# Altium PCB IO模組_MCP23017_20240819.PcbDoc
Units mil, origin at the board's own origin, x right, y up, seen from the top; angles counter-clockwise.
Board outline 3937.01 x 1968.5 mil, 2 copper layers (Top Layer, Bottom Layer), stack 61.756 mil thick; 87 components, 58 nets, 311 pads, 61 vias.
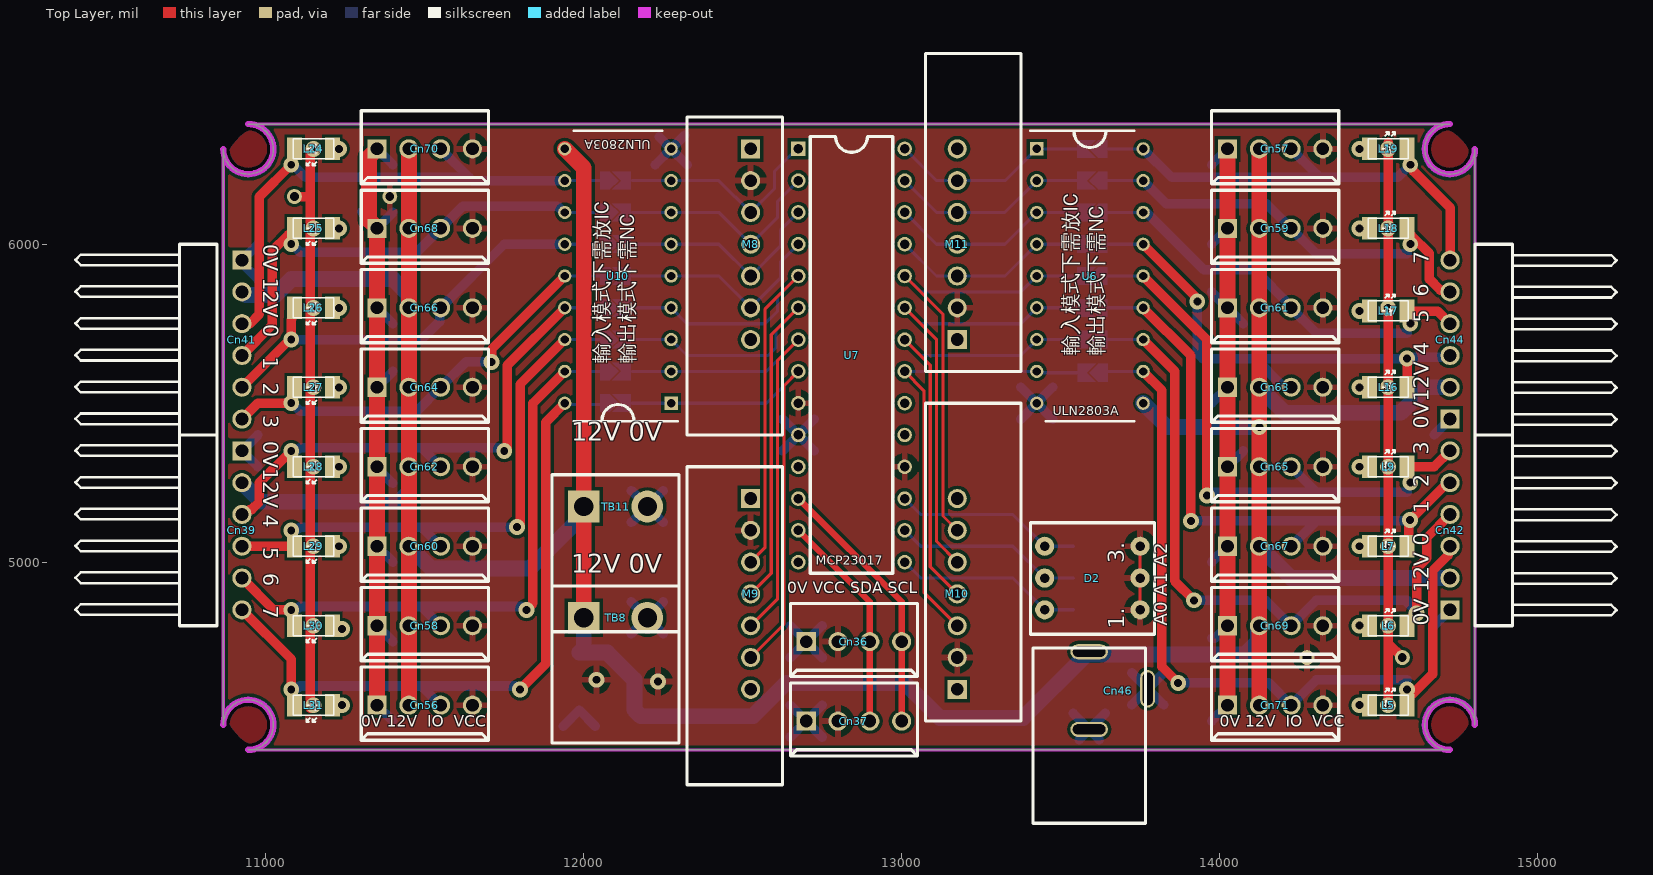
[diagram p0: Top Layer view]
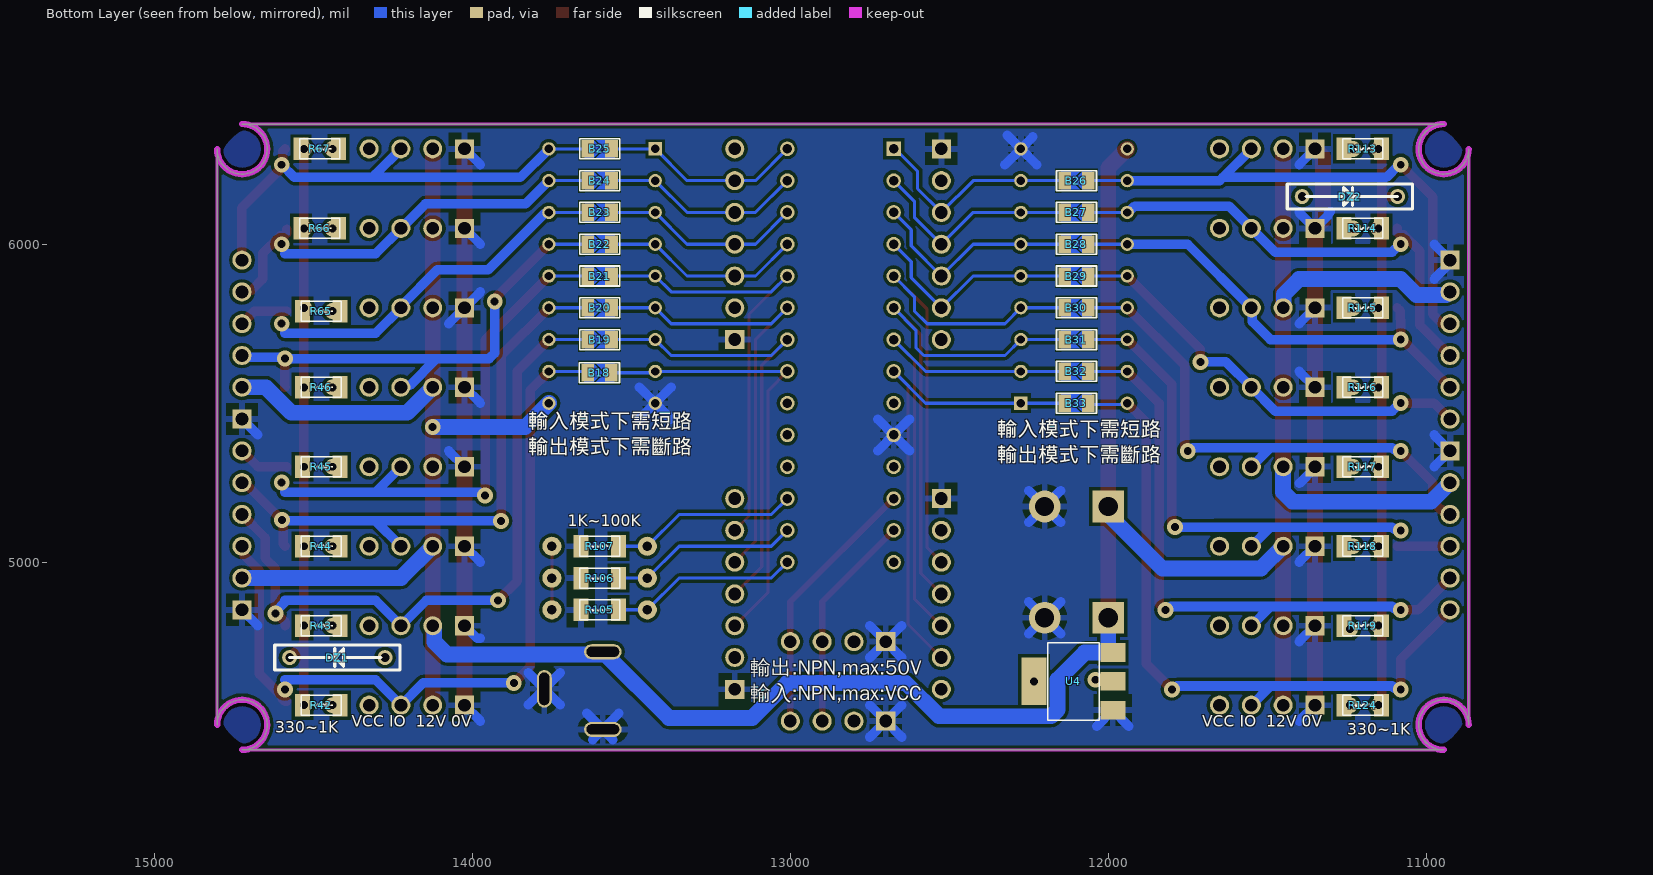
[diagram p1: Bottom Layer view, seen from below]
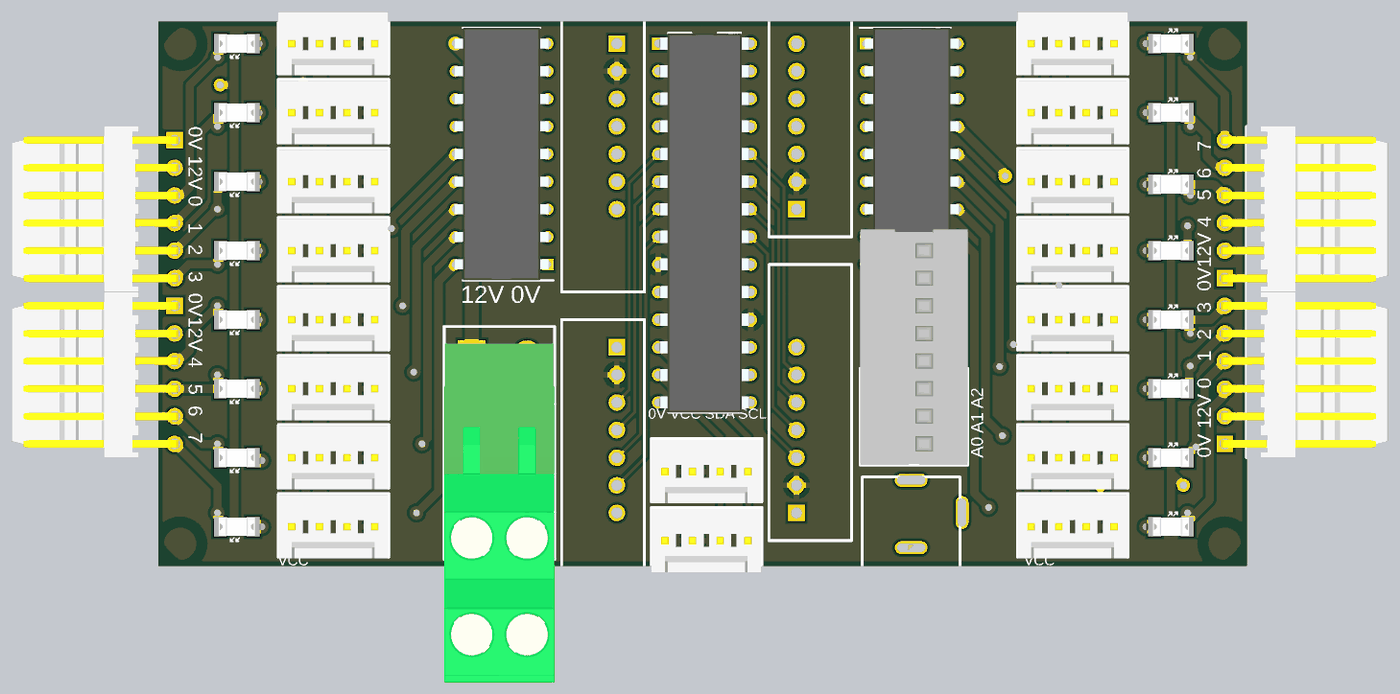
[diagram p2: 3D render of the assembled board from above, using the file's embedded part models]
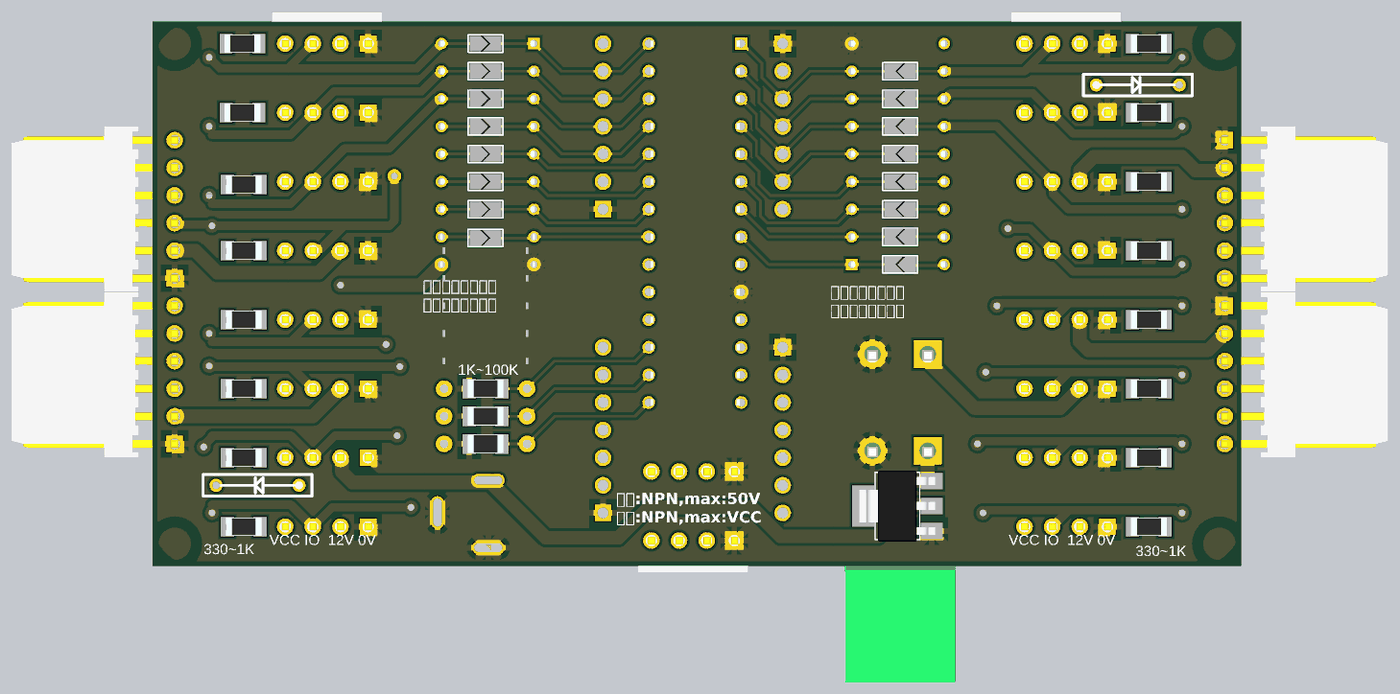
[diagram p3: 3D render of the assembled board from below, using the file's embedded part models]

## Layer stack, top to bottom
Top Solder: solder mask 1, SM-001, Dk 4
Top Layer: signal copper 1.378
Dielectric 1: core 59, Core-043, Dk 4.3
Bottom Layer: signal copper 1.378
Bottom Solder: solder mask 1, SM-001, Dk 4

## Board outline
10866.14,4488.19 cw(c10944.88,4488.19) 10944.88,4409.45 14724.41,4409.45 cw(c14724.41,4488.19) 14803.15,4488.19 14803.15,6299.21 cw(c14724.41,6299.21) 14724.41,6377.95 10944.88,6377.95 cw(c10944.88,6299.21) 10866.14,6299.21

## Design rules (kind name [scope] priority, off if disabled: settings)
Clearance [All] p1: gap=10 ignorepadtopadclearanceinfootprint=FALSE
ComponentClearance [All] p1: gap=0 collisioncheckmode=3 verticalgap=0 showdistances=FALSE
PlaneClearance [All] p1: clearance=30
PlaneConnect [All] p1: planeconnectstyle=Relief reliefexpansion=20 reliefentries=4 reliefconductorwidth=10 reliefairgap=20
PolygonConnect [All] p1: connectstyle=Relief reliefconductorwidth=20 reliefentries=4 polygonreliefangle="90 Angle" airgapwidth=20
RoutingVias [All] p1: holewidth=28 width=50 viastyle="Through Hole" minholewidth=10 minwidth=20 maxholewidth=28 maxwidth=50
SolderMaskExpansion [All] p1: expansion=4 istentingtop=FALSE
Width [All] p1: maxlimit=100 minlimit=10 preferedwidth=10 minimp=50.000000 maximp=50.000000 favimp=50.000000
27 further rules are at their usual default settings.

## Components (designator, comment, footprint, x,y, rotation, side; value= is the part's Value field where it differs from the comment)
B18 "短路" BYPASS-0805 13600.43,5595.73 r180 bottom
B19 "短路" BYPASS-0805 13600,5700 r180 bottom
B20 "短路" BYPASS-0805 13600,5800 r180 bottom
B21 "短路" BYPASS-0805 13600,5900 r180 bottom
B22 "短路" BYPASS-0805 13600,6000 r180 bottom
B23 "短路" BYPASS-0805 13600,6100 r180 bottom
B24 "短路" BYPASS-0805 13600,6200 r180 bottom
B25 "短路" BYPASS-0805 13600,6300 r180 bottom
B26 "短路" BYPASS-0805 12100,6200 r0 bottom
B27 "短路" BYPASS-0805 12100,6100 r0 bottom
B28 "短路" BYPASS-0805 12100,6000 r0 bottom
B29 "短路" BYPASS-0805 12100,5900 r0 bottom
B30 "短路" BYPASS-0805 12100,5800 r0 bottom
B31 "短路" BYPASS-0805 12100,5700 r0 bottom
B32 "短路" BYPASS-0805 12100,5600 r0 bottom
B33 "短路" BYPASS-0805 12100,5500 r0 bottom
Cn36 "KF2510" Connector_KF2510-4A 12700,4750 r90 top
Cn37 "KF2510" Connector_KF2510-4A 12700,4500 r90 top
Cn39 "KF2510-6" Connector_KF2510-6W 10925,5350 r0 top
Cn41 "KF2510-6" Connector_KF2510-6W 10925,5950 r0 top
Cn42 "KF2510-6" Connector_KF2510-6W 14725,4850 r180 top
Cn44 "KF2510-6" Connector_KF2510-6W 14725,5450 r180 top
Cn46 "KF2510-4" Connector_DC-005 13775,4600 r90 top
Cn56 "KF2510" Connector_KF2510-4A 11350,4550 r90 top
Cn57 "KF2510" Connector_KF2510-4A 14025,6300 r90 top
Cn58 "KF2510" Connector_KF2510-4A 11350,4800 r90 top
Cn59 "KF2510" Connector_KF2510-4A 14025,6050 r90 top
Cn60 "KF2510" Connector_KF2510-4A 11350,5050 r90 top
Cn61 "KF2510" Connector_KF2510-4A 14025,5800 r90 top
Cn62 "KF2510" Connector_KF2510-4A 11350,5300 r90 top
Cn63 "KF2510" Connector_KF2510-4A 14025,5550 r90 top
Cn64 "KF2510" Connector_KF2510-4A 11350,5550 r90 top
Cn65 "KF2510" Connector_KF2510-4A 14025,5300 r90 top
Cn66 "KF2510" Connector_KF2510-4A 11350,5800 r90 top
Cn67 "KF2510" Connector_KF2510-4A 14025,5050 r90 top
Cn68 "KF2510" Connector_KF2510-4A 11350,6050 r90 top
Cn69 "KF2510" Connector_KF2510-4A 14025,4800 r90 top
Cn70 "KF2510" Connector_KF2510-4A 11350,6300 r90 top
Cn71 "KF2510" Connector_KF2510-4A 14025,4550 r90 top
D2 "KE 撥碼開關 1.27mm" Switch_Dip-3 13750,4850 r180 top
DZ1 "12V1" Diode_1/4 14425,4700 r180 bottom
DZ2 "12V1" Diode_1/4 11240,6150 r0 bottom
L5 "藍" LED-1206 14530,4550 r180 top
L6 "藍" LED-1206 14530,4800 r180 top
L7 "藍" LED-1206 14530,5050 r180 top
L9 "藍" LED-1206 14530,5300 r180 top
L16 "藍" LED-1206 14530,5550 r180 top
L17 "藍" LED-1206 14530,5790 r180 top
L18 "藍" LED-1206 14530,6050 r180 top
L19 "藍" LED-1206 14530,6300 r180 top
L24 "藍" LED-1206 11150,6300 r0 top
L25 "藍" LED-1206 11150,6050 r0 top
L26 "藍" LED-1206 11150,5800 r0 top
L27 "藍" LED-1206 11150,5550 r0 top
L28 "藍" LED-1206 11150,5300 r0 top
L29 "藍" LED-1206 11150,5050 r0 top
L30 "藍" LED-1206 11150,4800 r0 top
L31 "藍" LED-1206 11150,4550 r0 top
M8 "XR390" "XR390 Module" 12525,6300 r90 top
M9 "XR390" "XR390 Module" 12525,5200 r90 top
M10 "XR390" "XR390 Module" 13175,4600 r270 top
M11 "XR390" "XR390 Module" 13175,5700 r270 top
R42 "1K" Res-1206 14475,4550 r0 bottom
R43 "1K" Res-1206 14475,4800 r0 bottom
R44 "1K" Res-1206 14475,5050 r0 bottom
R45 "1K" Res-1206 14475,5300 r0 bottom
R46 "1K" Res-1206 14475,5550 r0 bottom
R65 "1K" Res-1206 14475,5789.37 r0 bottom
R66 "1K" Res-1206 14480,6050 r0 bottom
R67 "1K" Res-1206 14480,6300 r0 bottom
R105 "100K" Res-1206 13600,4850 r180 bottom
R106 "100K" Res-1206 13600,4950 r180 bottom
R107 "100K" Res-1206 13600,5050 r180 bottom
R113 "1K" Res-1206 11200,6300 r180 bottom
R114 "1K" Res-1206 11200,6050 r180 bottom
R115 "1K" Res-1206 11200,5800 r180 bottom
R116 "1K" Res-1206 11200,5550 r180 bottom
R117 "1K" Res-1206 11200,5300 r180 bottom
R118 "1K" Res-1206 11200,5050 r180 bottom
R119 "1K" Res-1206 11200,4800 r180 bottom
R124 "1K" Res-1206 11200,4550 r180 bottom
TB8 "KF2EDG5.08_2P" "Terminal block(KF2EDGR-5.08 _2P)" 12000,4825 r0 top
TB11 "KF2EDG5.08_2P" "Terminal block(KF2EDGR-5.08 _2P)" 12000,5175 r0 top
U4 "AMS1117-3.3V" "SOT 223" 12100,4625 r90 bottom
U6 "ULN2803A" DIP-18 13592.32,5900 r0 top
U7 "MCP23017" DIP-28 12842.32,5650 r0 top
U10 "ULN2803A" DIP-18 12107.68,5900 r180 top

## Footprints (in the part's own frame and the unit in brackets; to place one, negate y for a bottom-side part, rotate by r counter-clockwise, add the part's x,y. Pads: shape width x height; smd on the part's side, far side on the other; paste and mask are expansions set on the pad)
BYPASS-0805 [mm] "短接焊點"
  rect 1x1.4 smd: 1(-0.95,0) 2(0.95,0)
  Top Layer region: -0.25,-0.7 0.45,0 -0.25,0.7 1.2,0.7 1.2,-0.7
  Top Layer region: -1.2,-0.7 -1.2,0.7 -0.45,0.7 0.25,0 -0.45,-0.7
  silkscreen extent -1.6,-0.8 1.6,0.8
Connector_DC-005 [mm] "DC接頭外徑5.5mm"
  oval 1.2x3 hole 0.8 slot 2.6 at 90 deg: 1(3,4.7) 2(-3.2,4.7)
  oval 3x1.2 hole 0.8 slot 2.6 at 0 deg: 3(0.04,0.025)
  silkscreen extent -10.7,0.2 3.3,9.2
Connector_KF2510-4A [mil] "防呆接頭(4P)"
  rect 60x60 hole 40: 1(0,0)
  round 60 hole 40: 2(0,-100) 3(0,-200) 4(0,-300)
  silkscreen extent -110,-350 120,50, body extent -114,-348 114,50, height 461
Connector_KF2510-6W [mil] "防呆接頭90°(6P)"
  rect 60x60 hole 40: 1(0,0)
  round 60 hole 40: 2(0,-100) 3(0,-200) 4(0,-300) 5(0,-400) 6(0,-500)
  silkscreen extent -524,-550 -79,50, body extent -591,-549 14,49, height 228
Diode_1/4 [mm] "1/4W DIP二極體"
  round 1.2 hole 0.7: 1(-3.81,0) 2(3.81,0)
  silkscreen extent -5,-1 5,1
DIP-18 [mm] "DIP850W46P254L2324H393Q18N"
  rect 1.06x1.06 hole 0.66: 1(-4.25,10.16)
  round 1.06 hole 0.66: 2(-4.25,7.62) 3(-4.25,5.08) 4(-4.25,2.54) 5(-4.25,0) 6(-4.25,-2.54) 7(-4.25,-5.08) 8(-4.25,-7.62) 9(-4.25,-10.16) 10(4.25,-10.16) 11(4.25,-7.62) 12(4.25,-5.08) 13(4.25,-2.54) 14(4.25,0) 15(4.25,2.54) 16(4.25,5.08) 17(4.25,7.62) 18(4.25,10.16)
  silkscreen extent -4.78,-11.62 3.55,11.62, body extent -4.37,-11.62 4.37,11.62, height 3.93
DIP-28 [mm] "DIP794W56P254L3486H508Q28N"
  rect 1.159x1.159 hole 0.759: 1(-4.25,16.51)
  round 1.159 hole 0.759: 2(-4.25,13.97) 3(-4.25,11.43) 4(-4.25,8.89) 5(-4.25,6.35) 6(-4.25,3.81) 7(-4.25,1.27) 8(-4.25,-1.27) 9(-4.25,-3.81) 10(-4.25,-6.35) 11(-4.25,-8.89) 12(-4.25,-11.43) 13(-4.25,-13.97) 14(-4.25,-16.51) 15(4.25,-16.51) 16(4.25,-13.97) 17(4.25,-11.43) 18(4.25,-8.89) 19(4.25,-6.35) 20(4.25,-3.81) 21(4.25,-1.27) 22(4.25,1.27) 23(4.25,3.81) 24(4.25,6.35) 25(4.25,8.89) 26(4.25,11.43) 27(4.25,13.97) 28(4.25,16.51)
  silkscreen extent -3.3,-17.4 3.3,17.5, body extent -4.11,-17.43 4.11,17.43, height 5.08
LED-1206 [mm] "發光二極體 SMD-1206"
  rect 1.2x1.8 smd: 1(-1.5,0) 2(1.5,0)
  silkscreen extent -1.6,-1.35 1.6,0.8, body extent -1.6,-0.8 1.6,0.8, height 1.1
Res-1206 [mm] "1/4W電阻 SMD"
  rect 1.2x1.8 smd: 1(-1.5,0) 2(1.5,0)
  silkscreen extent -1.6,-0.8 1.6,0.8, body extent -1.6,-0.8 1.6,0.8, height 0.75
"SOT 223" [mm]
  rect 1.5x2 smd: 1(-2.3,-2.9) 2(0,-2.9) 3(2.3,-2.9)
  rect 3.8x2 smd: 2(0,3.4)
  silkscreen extent -3.1,-1.8 3.1,2.3, body extent -3.25,-3.23 3.25,3.73, height 1.7
Switch_Dip-3 [mil] "8位指撥開關"
  round 60 hole 30: 1(0,0) 2(0,-100) 3(0,-200) 4(300,-200) 5(300,-100) 6(300,0)
  silkscreen extent -45,-274 345,77, body extent -45,-777 345,77, height 309
"Terminal block(KF2EDGR-5.08 _2P)" [mil] "端子台(KF2EDGR-5.08 _2P))"
  rect 100x100 hole 60: 1(0,0)
  round 100 hole 60: 2(200,0)
  silkscreen extent -100,-394 300,100, body extent -100,-839 300,39, height 622
"XR390 Module" [mil] "遙控器模組"
  rect 60x60 hole 40: 1(0,0)
  round 60 hole 40: 2(-100,0) 3(-200,0) 4(-300,0) 5(-400,0) 6(-500,0) 7(-600,0)
  silkscreen extent -900,-100 100,200

## Part data
B18 B19 B20 B21 B22 B23 B24 B25 B26 B27 B28 B29 B30 B31 B32 B33: library part Bypass, "短路焊點(如標註短路則需額外補錫使其短路)"
Cn36 Cn37 Cn56 Cn57 Cn58 Cn59 Cn60 Cn61 Cn62 Cn63 Cn64 Cn65 Cn66 Cn67 Cn68 Cn69 Cn70 Cn71: library part Contact(4P), "接線端子"
Cn39 Cn41 Cn42 Cn44: library part Contact(6P), "接線端子"
Cn46: library part Contact_DC, "接線端子"
D2: library part "Switch_Dip _3", "開關_撥碼_3位"
DZ1 DZ2: library part Diode_Zener, "二極體_稽納"
L5 L6 L7 L9 L16 L17 L18 L19 L24 L25 L26 L27 L28 L29 L30 L31: library part LED, "LED"
M8 M9 M10 M11: "遙控器模組"
R42 R43 R44 R45 R46 R65 R66 R67 R105 R106 R107 R113 R114 R115 R116 R117 R118 R119 R124: library part Res, "電阻"
TB8 TB11: library part "Terminal block(2P)", "端子台"
U4: library part AMS1117, "降壓IC,LOD"
U6 U10: library part TBD62083A, "閘極驅動器 P型 50V 0.5A", Manufacturer_Name=Toshiba, Manufacturer_Part_Number=TBD62083AFNG,EL, Mouser Part Number=757-TBD60183AFNGEL, ComponentLink1Description=datasheet, ComponentLink1URL=https://www.mouser.tw/datasheet/2/408/TBD62083AFNG_datasheet_en_20160511-769697.pdf, Datasheet Link=chrome-extension://efaidnbmnnnibpcajpcglclefindmkaj/https://www.mouser.tw/datasheet/2/408/TBD62083AFWG_datasheet_en_20160511-769679.pdf, Geometry.Height=1.55mm, Mouser Price/Stock=https://www.mouser.co.uk/ProductDetail/Toshiba/TBD62183AFNGEL?qs=lYGu3FyN48dJ%2FQ%2FqZoTqjQ%3D%3D
U7: "I2C IO", Manufacturer_Name=Microchip, Manufacturer_Part_Number=MCP23017-E/SO, ComponentLink1Description=datasheet, ComponentLink1URL=https://ww1.microchip.com/downloads/en/devicedoc/20001952c.pdf, Height=2.65mm

## Via types
v1: diameter 50, hole 25, Top Layer to Bottom Layer, tented both sides, 60 vias
v2: diameter 50, hole 25, Top Layer to Bottom Layer, 1 vias

## Nets (pads, with @x,y where several pads share a name; then routed paths per layer and width w, separated by ;. In a path a pad name is that pad's centre, name@x,y a point inside that pad or via, vN(x,y) a via of type N, cw(c..) or ccw(c..) an arc to the next point about the centre after c; other vN are vias at no path point)
+12: Cn39.2 Cn41.2 Cn42.2 Cn44.2 Cn46.1 Cn56.2 Cn57.2 Cn58.2 Cn59.2 Cn60.2 Cn61.2 Cn62.2 Cn63.2 Cn64.2 Cn65.2 Cn66.2 Cn67.2 Cn68.2 Cn69.2 Cn70.2 Cn71.2 TB8.1 TB11.1 U4.3 U6.10 U10.10 | length 11231
  Top Layer w50: Cn56.2 Cn58.2 Cn60.2 Cn62.2 Cn64.2 Cn66.2 Cn68.2 Cn70.2 ; U10.10 12000,6240.35 12000,5150 TB8.1 ; Cn71.2 Cn69.2 Cn67.2 Cn65.2 v1(14125,5425) Cn63.2 Cn61.2 Cn59.2 Cn57.2
  Bottom Layer w50: Cn39.2 10985,5190 11420,5190 11450,5220 Cn62.2 ; Cn41.2 10927.71,5850 10937.71,5840 11030,5840 11080,5890 11400,5890 11448.09,5841.91 11448.09,5801.91 Cn66.2 ; Cn60.2 11520,4980 11830,4980 TB11.1@12000,5150 ; U4.3 U4.3@11995.47,4715.55 ; TB8.1 12000,4720.08 U4.3@11995.47,4715.55 ; U6.10 13834.65,5425 v1(14125,5425) ; Cn69.2 14125,4797.29 14120,4792.29 14120,4749.29 14080.71,4710 13581.85,4710 13381.85,4510 13120,4510 13010,4620 12636.92,4620 12532.12,4515.2 12179.99,4515.2 12159.49,4535.7 12159.49,4630.51 12074.45,4715.55 U4.3@11995.47,4715.55 ; Cn67.2 14225,4950 Cn42.2 ; Cn63.2 14205,5470 14570,5470 14650,5550 Cn44.2
A0_OUT: D2.6 R105.2 U7.15 | length 593.4
  Bottom Layer w10: U7.15 13059.65,4950 13350,4950 D2.6 R105.2
A1_OUT: D2.5 R106.2 U7.16 | length 593.4
  Bottom Layer w10: U7.16 13059.65,5050 13350,5050 D2.5 R106.2
A2_OUT: D2.4 R107.2 U7.17 | length 593.4
  Bottom Layer w10: U7.17 13059.65,5150 13350,5150 D2.4 R107.2
GND: Cn36.1 Cn37.1 Cn39.1 Cn41.1 Cn42.1 Cn44.1 Cn46.2 Cn46.3 Cn56.1 Cn57.1 Cn58.1 Cn59.1 Cn60.1 Cn61.1 Cn62.1 Cn63.1 Cn64.1 Cn65.1 Cn66.1 Cn67.1 Cn68.1 Cn69.1 Cn70.1 Cn71.1 M8.1 M9.1 M10.1 M11.1 R105.1 R106.1 R107.1 TB8.2 TB11.2 U4.1 U6.9 U7.10 U10.9 | length 7822.5
  Top Layer w50: Cn56.1 Cn58.1 Cn60.1 Cn62.1 Cn64.1 Cn66.1 Cn68.1 11325,6075 11325,6275 Cn70.1 ; Cn71.1 Cn69.1 Cn67.1 Cn65.1 Cn63.1 Cn61.1 Cn59.1 Cn57.1
  Bottom Layer w30: Cn41.1@10925,5940 10975,5890 ; Cn41.1 10975,6000 ; 10975,5300 Cn39.1 10975,5400 ; 11301.73,6101.73 11307.68,6095.79 11307.68,6092.32 Cn68.1 11400,6100 ; Cn62.1@11348.85,5297.53 11398.85,5247.53 ; Cn56.1 11400,4500 ; Cn58.1 11400,4750 ; Cn60.1 11400,5000 ; Cn64.1 11400,5600 ; Cn66.1 11400,5750 ; Cn70.1 11400,6250 ; 11935.83,4484.45 U4.1 12035.83,4484.45 ; 12150,4775 TB8.2 ; 12150,4875 TB8.2 ; 12150,5125 TB11.2 ; 12150,5225 TB11.2 ; 12225,6250 U10.9 ; 12237.5,6337.5 U10.9 ; 12250,4775 TB8.2 ; 12250,4875 TB8.2 ; 12250,5125 TB11.2 ; 12250,5225 TB11.2 ; 12317.5,6342.5 U10.9 ; 12325,6250 U10.9 ; 12625,5350 U7.10 ; 12625,5450 U7.10 ; 12650,4450 Cn37.1 ; 12650,4550 Cn37.1 ; 12650,4700 Cn36.1 ; 12650,4800 Cn36.1 ; 12725,5350 U7.10 ; 12725,5450 U7.10 ; 12750,4450 Cn37.1 ; 12750,4550 Cn37.1 ; 12750,4700 Cn36.1 ; 12750,4800 Cn36.1 ; 13375,5450 U6.9 ; 13375,5550 U6.9 ; 13475,5450 U6.9 ; 13475,5550 U6.9 ; 13539.96,4524.02 Cn46.2 ; 13557.97,4442.03 Cn46.2 ; 13621.99,4441.99 Cn46.2 ; 13639.96,4524.02 Cn46.2 ; 13724,4551.56 Cn46.3 ; 13724,4651.56 Cn46.3 ; 13824,4551.56 Cn46.3 ; 13824,4651.56 Cn46.3 ; 13975,4500 Cn71.1 ; 13975,4760 13985,4760 Cn69.1 ; 13975,5000 Cn67.1 ; 13975,5500 Cn63.1 ; 13975,5850 Cn61.1 14075,5750 ; 13975,6000 Cn59.1 ; 13975,6250 Cn57.1 ; Cn65.1 14075,5350 ; 14675,4800 Cn42.1 ; 14675,5400 Cn44.1
IO0: B18.2 M10.3 U6.8 U7.21 | length 1417.6
  Top Layer w10: U7.21 13070,5539.65 13070,4905 M10.3
  Bottom Layer w10: U7.21 U6.8 ; U6.8@13429.27,5595.73 B18.2
IO1: B19.2 M10.4 U6.7 U7.22 | length 1462.9
  Top Layer w10: U7.22 13090,5619.65 13090,4985 M10.4
  Bottom Layer w10: U7.22 13059.65,5650 13375,5650 U6.7 B19.2
IO2: B20.2 M10.5 U6.6 U7.23 | length 1462.9
  Top Layer w10: U7.23 13110,5699.65 13110,5065 M10.5
  Bottom Layer w10: U7.23 13059.65,5750 13375,5750 U6.6 B20.2
IO3: B21.2 M10.6 U6.5 U7.24 | length 1462.9
  Top Layer w10: U7.24 13130,5779.65 13130,5145 M10.6
  Bottom Layer w10: U7.24 13059.65,5850 13375,5850 U6.5 B21.2
IO4: B22.2 M11.3 U6.4 U7.25 | length 635.8
  Bottom Layer w10: U7.25 13109.65,5900 M11.3 13325,5900 U6.4 B22.2
IO5: B23.2 M11.4 U6.3 U7.26 | length 635.8
  Bottom Layer w10: U7.26 13109.65,6000 M11.4 13325,6000 U6.3 B23.2
IO6: B24.2 M11.5 U6.2 U7.27 | length 635.8
  Bottom Layer w10: U7.27 13109.65,6100 M11.5 13325,6100 U6.2 B24.2
IO7: B25.2 M11.6 U6.1 U7.28 | length 635.8
  Bottom Layer w10: U7.28 13109.65,6200 M11.6 13325,6200 U6.1 B25.2
IO8: B26.2 M8.3 U7.1 U10.8 | length 678.7
  Bottom Layer w10: B26.2@12152.75,6200 U10.8 12425,6200 M8.3 12600,6175 12600,6230 12652.18,6282.19 12657.18,6282.19 U7.1
IO9: B27.2 M8.4 U7.2 U10.7 | length 675.8
  Bottom Layer w10: B27.2@12152.75,6100 U10.7 12425,6100 M8.4 12610,6085 12610,6135 U7.2
IO10: B28.2 M8.5 U7.3 U10.6 | length 675.8
  Bottom Layer w10: B28.2@12152.75,6000 U10.6 12425,6000 M8.5 12620,5995 12620,6045 U7.3
IO11: B29.2 M8.6 U7.4 U10.5 | length 675.8
  Bottom Layer w10: B29.2@12152.75,5900 U10.5 12425,5900 M8.6 12620,5895 12620,5945 U7.4
IO12: B30.2 M9.3 U7.5 U10.4 | length 1593.6
  Top Layer w10: M9.3 12570,5045 12570,5795 U7.5
  Bottom Layer w10: B30.2@12152.75,5800 U10.4 12325,5750 12570,5750 12610,5790 12610,5835 U7.5
IO13: B31.2 M9.4 U7.6 U10.3 | length 1599.4
  Top Layer w10: M9.4 12590,4965 12590,5715 U7.6
  Bottom Layer w10: B31.2@12152.75,5700 U10.3 12325,5650 12580,5650 12605,5675 12605,5730 U7.6
IO14: B32.2 M9.5 U7.7 U10.2 | length 1525.8
  Top Layer w10: M9.5 12610,4885 12610,5635 U7.7
  Bottom Layer w10: B32.2@12152.75,5600 U10.2 12575,5600 U7.7
IO15: B33.2 M9.6 U7.8 U10.1 | length 1525.8
  Top Layer w10: M9.6 12630,4805 12630,5555 U7.8
  Bottom Layer w10: B33.2@12152.75,5500 U10.1 12575,5500 U7.8
NetDZ1_1: DZ1.1 R42.2 R43.2 R44.2 R45.2 R46.2 R65.2 R66.2 R67.2 | length 1833.6
  Top Layer w30: v1(14530,4550) 14530,4745 ; v1@14530,6320 v1(14530,6300) v1(14530,6050) v1(14530,5800) v1(14530,5550) v1(14530,5300) v1(14530,5050) v1(14530,4800) 14530,4745 ; DZ1.1 14530,4745
NetDZ2_1: DZ2.1 R113.2 R114.2 R115.2 R116.2 R117.2 R118.2 R119.2 R124.2 | length 1810
  Top Layer w30: DZ2.1 11140,6150 ; v1@11140,4540 11140,5050 11140,5300 11140,6150 ; v1@11140,6300 11140,6150
  other v1: 11150,4550 11150,4800 11150,5050 11150,5300 11150,5550 11150,5800 11150,6050 11150,6300
NetL5_2: L5.2 R42.1
  other v1: 14440,4550
NetL6_2: L6.2 R43.1
  other v1: 14440,4800
NetL7_2: L7.2 R44.1
  other v1: 14440,5050
NetL9_2: L9.2 R45.1
  other v1: 14440,5300
NetL16_2: L16.2 R46.1
  other v1: 14440,5550
NetL17_2: L17.2 R65.1
  other v1: 14440,5790
NetL18_2: L18.2 R66.1
  other v1: 14440,6050
NetL19_2: L19.2 R67.1
  other v1: 14440,6300
NetL24_2: L24.2 R113.1
  other v1: 11230,6300
NetL25_2: L25.2 R114.1
  other v1: 11230,6050
NetL26_2: L26.2 R115.1
  other v1: 11230,5800
NetL27_2: L27.2 R116.1
  other v1: 11230,5550
NetL28_2: L28.2 R117.1
  other v1: 11230,5300
NetL29_2: L29.2 R118.1
  other v1: 11230,5050
NetL30_2: L30.2 R119.1
  other v1: 11240,4790
NetL31_2: L31.2 R124.1
  other v1: 11240,4550
OUT_0: B18.1 Cn42.3 Cn71.3 L5.1 U6.11 | length 2479.6
  Top Layer w30: U6.11 13818.9,5540.75 13818.9,4671.1 v1(13870,4620) ; L5.1@14584.06,4561.81 14589.06,4561.81 14597.68,4570.43 14597.68,4575.43 14670,4647.75 14670,4972.78 14719.26,5022.04 14719.26,5044.26 Cn42.3
  Bottom Layer w10: B18.1@13637.4,5600 U6.11
  Bottom Layer w30: v1(13870,4620) 14155,4620 Cn71.3 14305,4630 14590,4630
  other v1: 14590,4600
OUT_1: B19.1 Cn42.4 Cn69.3 L6.1 U6.12 | length 2203.9
  Top Layer w30: U6.12 13858.9,5600.75 13858.9,4941.1 v1(13920,4880) ; L6.1 14589.06,4811.81 14615.88,4838.64 v1(14620,4838.64) ; v1@14615.99,4843.86 14620,4847.87 14620,4980 14651.66,5011.66 14651.66,5076.66 Cn42.4
  Bottom Layer w10: B19.1 U6.12
  Bottom Layer w30: v1(13920,4880) 14145,4880 Cn69.3 14305,4880 14590,4880 14590,4874.05 14620,4844.05 v1(14620,4838.64)
OUT_2: B20.1 Cn42.5 Cn67.3 L7.1 U6.13 | length 1919.6
  Top Layer w30: U6.13 13910,5649.65 v1(13910,5130) ; L7.1 14595.84,5056.78 14595.84,5128.47 v1(14599.66,5132.3) ; v1@14600.98,5125.98 14600.98,5133.21 14717.77,5250 Cn42.5
  Bottom Layer w10: B20.1 U6.13
  Bottom Layer w30: v1(13910,5130) 14305,5130 ; Cn67.3 14305,5130 ; v1@14594.66,5132.3 14592.36,5130 14305,5130
OUT_3: B21.1 Cn42.6 Cn65.3 L9.1 U6.14 | length 1804.2
  Top Layer w30: U6.14 13915,5744.65 13960,5699.65 v1(13960,5210) ; L9.1@14584.06,5300 L9.1 14675,5300 Cn42.6
  Bottom Layer w10: B21.1 U6.14
  Bottom Layer w30: v1(13960,5210) 13965.41,5210 13975.41,5220 14305,5220 ; Cn65.3 14305,5220 ; 14590,5220 14305,5220
  other v1: 14600,5250
OUT_4: B22.1 Cn44.3 Cn63.3 L16.1 U6.15 | length 1581.5
  Top Layer w30: U6.15 13930,5829.65 v2(13930,5820) ; L16.1 14590,5550.94 v1(14590,5640)
  Bottom Layer w10: B22.1 U6.15
  Bottom Layer w30: v2(13930,5820) 13930,5657.57 13947.57,5640 14112.78,5640 ; Cn63.3 14219.26,5555.74 14197.04,5555.74 14112.78,5640 ; Cn44.3 14719.59,5644.59 14594.59,5644.59 v1(14590,5640) 14112.78,5640
OUT_5: B23.1 Cn44.4 Cn61.3 L17.1 U6.16 | length 1270.2
  Top Layer w30: L17.1@14584.06,5789.37 14685.63,5789.37 Cn44.4
  Bottom Layer w10: B23.1 U6.16
  Bottom Layer w30: U6.16 13761.89,6097.76 13772.24,6097.76 13950,5920 14110,5920 14225,5805 Cn61.3 14305,5720 14590,5720
  other v1: 14600,5750
OUT_6: B24.1 Cn44.5 Cn59.3 L18.1 U6.17 | length 1324.7
  Top Layer w30: L18.1@14584.06,6046.85 14584.06,6035.04 14592.68,6026.41 14604.49,6026.41 14660,5970.9 14660,5890 14694.26,5855.74 14719.26,5855.74 Cn44.5
  Bottom Layer w10: B24.1 U6.17
  Bottom Layer w30: U6.17 13832.9,6126.75 14148.25,6126.75 Cn59.3 14305,5970 14590,5970
  other v1: 14600,6000
OUT_7: B25.1 Cn44.6 Cn57.3 L19.1 U6.18 | length 1511.8
  Top Layer w30: L19.1 14596.17,6292.88 14596.17,6253.83 v1(14600,6250) ; v1@14610,6230 14725,6115 Cn44.6
  Bottom Layer w10: B25.1 U6.18
  Bottom Layer w30: U6.18 13849.65,6210 14560,6210 v1(14600,6250) ; Cn57.3 14305,6220
OUT_8: B26.1 Cn41.3 Cn70.3 L24.1 U10.11 | length 1699.8
  Top Layer w30: Cn41.3@10950,5750 10980,5780 10980,6150 v1(11080,6250)
  Bottom Layer w10: U10.11 B26.1 B26.1@12077.95,6200
  Bottom Layer w30: v1(11080,6250) 11085.41,6250 11125.41,6210 11640,6210 ; Cn70.3 11640,6210 ; U10.11 11650,6200 11640,6210
OUT_9: B27.1 Cn41.4 Cn68.3 L25.1 U10.12 | length 1552.3
  Top Layer w30: Cn41.4 11020,5745 11020,5979.06 11070.51,6029.57 11082.32,6029.57 11090.94,6038.19 L25.1
  Bottom Layer w10: U10.12 B27.1 B27.1@12077.95,6100
  Bottom Layer w30: v1(11080,6000) 11082.57,6000 11107.57,5975 11475,5975 Cn68.3 11620,6120 11917.18,6120 11937.18,6100 U10.12
OUT_10: B28.1 Cn41.5 Cn66.3 L26.1 U10.13 | length 1469.4
  Top Layer w30: Cn41.5 v1@11080,5705 ; v1(11080,5700) v1@11080,5705 ; L26.1 11082.32,5791.38 11082.32,5764.32 11080,5762 v1@11080,5705
  Bottom Layer w10: U10.13 B28.1 B28.1@12077.95,6000
  Bottom Layer w30: v1(11080,5700) 11490,5700 11546.97,5756.97 11546.97,5796.97 Cn66.3 11750,6000 U10.13
OUT_11: B29.1 Cn41.6 Cn64.3 L27.1 U10.14 | length 1383.3
  Top Layer w30: Cn41.6 10975,5500 v1(11080,5500) ; v1(11710,5630) 11710,5669.65 U10.14
  Bottom Layer w10: U10.14 B29.1 B29.1@12077.95,5900
  Bottom Layer w30: v1(11080,5500) 11082.57,5500 11107.57,5475 11475,5475 Cn64.3 11630,5630 v1(11710,5630)
OUT_12: B30.1 Cn39.3 Cn62.3 L28.1 U10.15 | length 1703.5
  Top Layer w30: Cn39.3 10933.12,5150 10948.12,5165 10955,5165 10980,5190 10980,5250 v1(11080,5350) ; v1(11750,5350) 11760,5360 11760,5619.65 U10.15
  Bottom Layer w10: U10.15 B30.1 B30.1@12077.95,5800
  Bottom Layer w30: v1(11080,5350) 11083.83,5353.83 11100.36,5353.83 11106.97,5360.44 11734.15,5360.44 11744.59,5350 v1(11750,5350) ; 11489.57,5360.43 Cn62.3
OUT_13: B31.1 Cn39.4 Cn60.3 L29.1 U10.16 | length 1755.8
  Top Layer w30: Cn39.4 L29.1 ; v1(11790,5110) 11800,5120 11800,5559.65 U10.16
  Bottom Layer w10: U10.16 B31.1 B31.1@12077.95,5700
  Bottom Layer w30: v1(11080,5100) 11083.83,5103.83 11100.36,5103.83 11106.97,5110.44 11667.35,5110.44 11667.78,5110 v1(11790,5110) ; 11489.57,5110.43 Cn60.3
OUT_14: B32.1 Cn39.5 Cn58.3 L30.1 U10.17 | length 1968
  Top Layer w30: Cn39.5 11025,4850 v1(11080,4850) ; v1(11820,4850) 11840,4870 11840,5499.65 U10.17
  Bottom Layer w10: U10.17 B32.1 B32.1@12077.95,5600
  Bottom Layer w30: v1(11080,4850) 11083.83,4853.83 11100.36,4853.83 11106.97,4860.44 11804.15,4860.44 11814.59,4850 v1(11820,4850) ; 11489.57,4860.43 Cn58.3
OUT_15: B33.1 Cn39.6 Cn56.3 L31.1 U10.18 | length 2220.2
  Top Layer w30: Cn39.6 11080,4695 v1(11080,4600) ; v1(11800,4600) 11880,4680 11880,5439.65 U10.18
  Bottom Layer w10: U10.18@11944.62,5495.73 B33.1@12078.38,5495.73
  Bottom Layer w30: v1(11080,4600) 11083.83,4603.83 11100.36,4603.83 11106.97,4610.44 11784.15,4610.44 11794.59,4600 v1(11800,4600) ; 11489.57,4610.43 Cn56.3
SCL: Cn36.4 Cn37.4 U7.12 | length 834.6
  Top Layer w20: U7.12 13000,4875 Cn36.4 Cn37.4
SDA: Cn36.3 Cn37.3 U7.13 | length 693.2
  Top Layer w20: U7.13 12900,4875 Cn36.3 Cn37.3
Vin: Cn36.2 Cn37.2 Cn56.4 Cn57.4 Cn58.4 Cn59.4 Cn60.4 Cn61.4 Cn62.4 Cn63.4 Cn64.4 Cn65.4 Cn66.4 Cn67.4 Cn68.4 Cn69.4 Cn70.4 Cn71.4 D2.1 D2.2 D2.3 DZ1.2 DZ2.2 M8.2 M9.2 M10.2 M11.2 U4.2 U7.9 U7.18 | length 200
  Top Layer w10: D2.1 D2.2 D2.3
  other v1: 12233.86,4625 12040,4630
pads on no net: M8.7 M9.7 M10.7 M11.7 U7.11 U7.14 U7.19 U7.20

## Polygon pours and split planes (outlines as drawn)
Vin on Top Layer "VIN_L01_P002" (solid, pour order 2): 10866.14,4566.93 ccw(c11023.62,4566.93) 11023.62,4409.45 14645.67,4409.45 ccw(c14645.67,4566.93) 14803.15,4566.93 14803.15,6220.47 ccw(c14645.67,6220.47) 14645.67,6377.95 11023.62,6377.95 ccw(c11023.62,6220.47) 10866.14,6220.47
GND on Bottom Layer "GND_L02_P004" (solid, pour order 4): 10866.14,4566.93 ccw(c11023.62,4566.93) 11023.62,4409.45 14645.67,4409.45 ccw(c14645.67,4566.93) 14803.15,4566.93 14803.15,6220.47 ccw(c14645.67,6220.47) 14645.67,6377.95 11023.62,6377.95 ccw(c11023.62,6220.47) 10866.14,6220.47

## Keep-outs
Keep-Out Layer:
  the board outline again, w20

## Silkscreen, mask and mechanical layers (free items; w line width, h text height)
Top Overlay:
  text "ULN2803A" at 12211.16,6338.83 h50 r180
  text "0V 12V 0   1  2   3  0V12V 4   5  6   7" at 10975.85,6000 h80 r270
  text "輸入模式下需放IC / 輸出模式下需NC" at 13650,5650 h80 r90
  text "輸入模式下需放IC / 輸出模式下需NC" at 12175,5625 h80 r90
  text "ULN2803A" at 13475,5450.53 h50
  text "12V 0V" at 11960,5361.06 h100
  text "MCP23017" at 12730,4980.53 h50
  text "12V 0V" at 11960,4946.06 h100
  text "0V VCC SDA SCL" at 12640,4890 h60
  text "A0 A1 A2" at 13849.26,4799.96 h70 r90
  text "0V 12V 0   1  2   3  0V12V 4   5  6   7" at 14674.15,4800 h80 r90
  text "0V 12V  IO  VCC" at 11300,4470 h60
  text "0V 12V  IO  VCC" at 14000,4470 h60
Bottom Overlay:
  text "輸入模式下需短路 / 輸出模式下需斷路" at 13825,5325 h80
  text "輸入模式下需短路 / 輸出模式下需斷路" at 12350,5300 h80
  text "1K~100K" at 13700,5100.64 h60
  text "輸出:NPN,max:50V / 輸入:NPN,max:VCC" at 13125,4550 h80
  text "VCC IO  12V 0V" at 11705,4470 h60
  text "VCC IO  12V 0V" at 14380,4470 h60
  text "330~1K" at 14620,4450.64 h60
  text "330~1K" at 11248.39,4443.97 h60

## Text inside footprints (layer, text, board x,y; h text height)
D2: Top Overlay "1." at 13700,4790 h50 r90; Top Overlay "3." at 13700,4996.85 h50 r90